# KiCad board FPGA_Board_BA.kicad_pcb (continued)
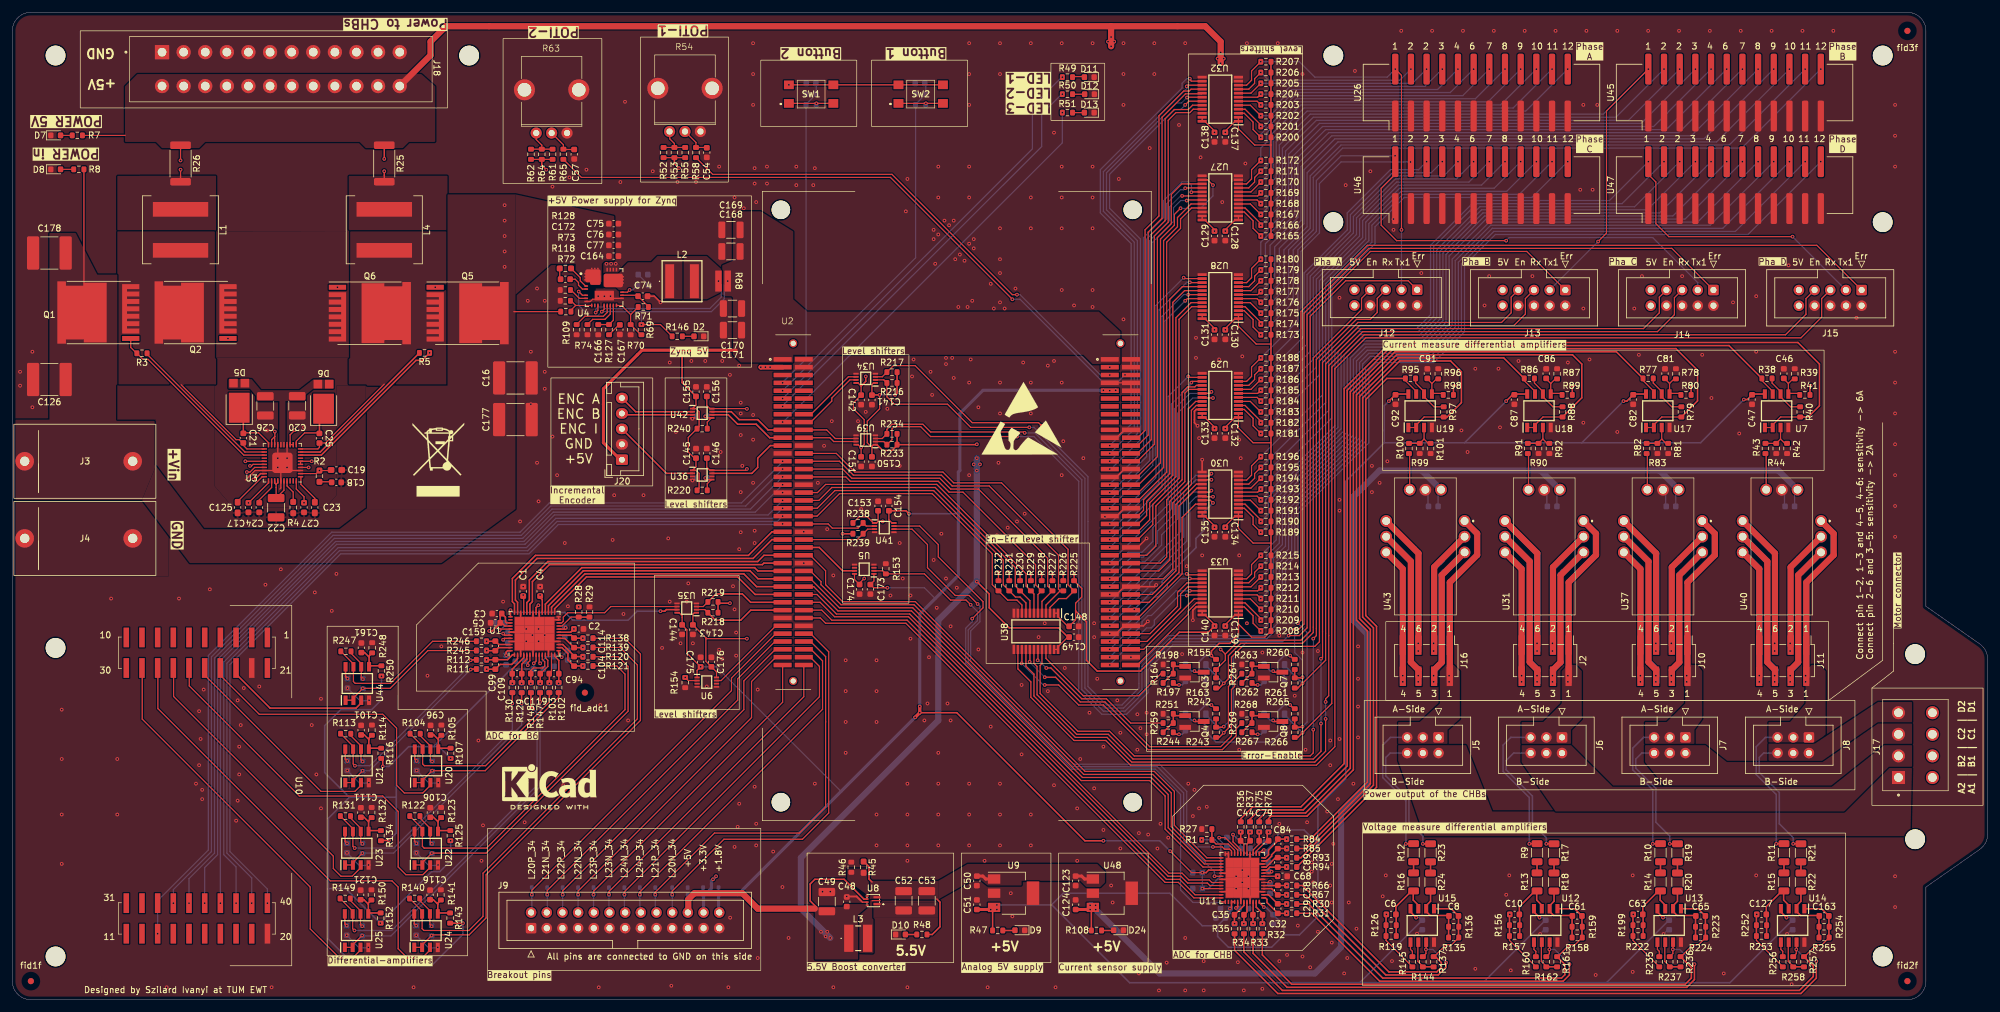
[diagram p0: board, top side]
## Routing (per net, layer and track width the routed paths; a pad name or vN(x,y) marks a point on that pad's centre or on a via; arc(x,y) is an arc through that point) (continued)
(no net):
  vias: v1(200,61)
/ADC for B6/CLK_IN: length 15.3
  Top w0.2: U35.2 112.17,63.21 R218.2
  Top w0.25: R218.2 113.88,61.5 118,61.5 119.63,63.12 U2.a65
/ADC for B6/CLK_OUT: length 14.4
  Top w0.2: U2.a69 123.7,60.59 114.82,51.71 U6.7
/ADC for B6/Diffamp_1/Ain+: length 4.1
  Top w0.25: R245.1 v1(76.85,56.55) C159.1 78.75,57.05 U1.51
/ADC for B6/Diffamp_1/Ain-: length 4.1
  Top w0.25: v1(76.83,58.08) 78.23,58.08 C159.2 78.8,57.55 U1.50
/ADC for B6/Diffamp_2/Ain+: length 4.8
  Top w0.25: R102.1 88.52,51.43 88.52,54.97 87.85,55.65 U1.14
  vias: v1(88.5,51.25)
/ADC for B6/Diffamp_2/Ain-: length 4.7
  Top w0.2: C94.2 87.35,53.2 U1.13
  Top w0.25: R103.1 87,52.8 C94.2
  vias: v1(87,51.25)
/ADC for B6/Diffamp_3/Ain+: length 6.4
  Top w0.25: U1.2 81.85,55.27 80.9,54.33 79.03,54.33 C99.1 v1(76.85,53.55) R111.1
/ADC for B6/Diffamp_3/Ain-: length 4.9
  Top w0.25: U1.1 81.03,55.9 80.23,55.1 C99.2 78.23,55.08 v1(76.83,55.08)
/ADC for B6/Diffamp_4/Ain+: length 4.8
  Top w0.25: U1.17 89.16,57.55 91,55.71 C104.1 92.4,55.6 v1(92.42,55.58)
/ADC for B6/Diffamp_4/Ain-: length 5.8
  Top w0.25: U1.16 89.02,57.05 90,56.08 90,55.05 C104.2 91.02,54.08 v1(92.42,54.08)
/ADC for B6/Diffamp_5/Ain+: length 4.9
  Top w0.25: U1.5 83.35,55.17 82.53,54.35 C109.1 82.53,51.43 R129.1
  vias: v1(82.5,51.25)
/ADC for B6/Diffamp_5/Ain-: length 5.3
  Top w0.25: U1.4 82.85,55.42 80.98,53.55 80.98,52.83 81,52.8 R130.1
  vias: v1(81,51.25)
/ADC for B6/Diffamp_6/Ain+: length 4.1
  Top w0.25: v1(92.42,58.58) 91.02,58.58 C114.1 90.55,59.05 U1.20
/ADC for B6/Diffamp_6/Ain-: length 4.6
  Top w0.25: v1(92.42,57.08) 92.4,57.05 C114.2 89.5,58.55 U1.19
/ADC for B6/Diffamp_7/Ain+: length 5.2
  Top w0.2: U1.11 86.35,55.4 86.75,55 86.75,54 85.58,52.83 C119.1
  Top w0.25: C119.1 85.53,51.43 R147.1
  vias: v1(85.5,51.25)
/ADC for B6/Diffamp_7/Ain-: length 6.5
  Top w0.2: 83.98,52.83 83.98,53.33 84.4,53.75 85.93,53.75 86.25,54.07 86.25,54.75 85.85,55.15 U1.10
  Top w0.25: 83.98,52.83 84,52.8 R148.1
  vias: v1(84,51.25)
/ADC for B6/I_A: length 49.4
  Top w0.2: U23.3 56.44,21.39 55.05,20 53.25,20 52,21.25 52,23.25 26.12,49.13 26.12,53.91
/ADC for B6/I_B: length 74.4
  Top w0.2: U24.3 67.65,8.03 66.38,6.75 64,6.75 62.5,8.25 62.5,18.25 61.5,19.25 51.5,19.25 23.58,47.17 23.58,53.91
/ADC for B6/I_C: length 64.8
  Top w0.2: U25.3 56.4,8.04 55.11,6.75 53,6.75 49.97,9.78 49.94,9.78 48.25,11.47 48.25,18.25 21.04,45.46 21.04,53.91
/ADC for B6/Level Shift for DIO/B1: length 29.4
  Top w0.25: U1.41 v1(80.7,63.12) 80.7,63.12 ; U35.7 105.95,63.21 105.7,62.96 v1(105,62.96)
  Bottom w0.25: v1(105,62.96) 101.21,62.96 99.75,61.5 90.75,61.5 89.5,62.75 81.08,62.75 80.7,63.12 v1(80.7,63.12)
/ADC for B6/Level Shift for DIO/B2: length 20.7
  Top w0.2: U1.24 88.98,61.05 89.25,61.33 89.25,62 89.95,62.7 95.95,62.7 96.96,63.71 U35.6
/ADC for B6/LS CLKOUT/A1: length 32.1
  Top w0.2: v1(109,52.21) 109.5,51.71 110.92,51.71
  Top w0.25: v1(85.22,63.91) 84.85,63.54 U1.33
  In2.Cu w0.2: v1(109,52.21) 101.75,59.46 101.75,59.5 99.5,61.75 87.38,61.75 v1(85.22,63.91)
/ADC for B6/SDO1: length 40.9
  Top w0.25: U1.27 87.85,63.35 93,68.5 117.5,68.5 120.33,65.66 U2.a59
/ADC for B6/SDO2: length 41.4
  Top w0.25: U1.28 87.35,63.6 92.75,69 118.5,69 120.57,66.94 U2.a61
/ADC for B6/SDO3: length 42
  Top w0.25: U1.29 86.85,63.85 92.5,69.5 119.5,69.5 120.8,68.21 U2.a57
/ADC for B6/SDO4: length 42.5
  Top w0.25: U2.a55 120.77,69.47 120.25,70 92.25,70 86.35,64.1 U1.30
/ADC for B6/SDO5: length 47
  Top w0.25: U1.35 83.85,64.1 84.25,64.5 84.25,67.75 87,70.5 121.5,70.5 121.74,70.75 U2.a53
/ADC for B6/SDO6: length 48.2
  Top w0.25: 124.79,72.02 121.77,72.02 120.75,71 86.75,71 83.75,68 83.75,64.75 83.35,64.35 U1.36
/ADC for B6/SDO7: length 51.4
  Top w0.25: U1.39 81.85,64.4 81.5,64.75 81.5,68 85,71.5 120,71.5 123.05,74.56 U2.a47
/ADC for B6/SDO8: length 52.6
  Top w0.25: U2.a43 123.08,75.83 119.25,72 84.75,72 81,68.25 81,64.5 81.35,64.15 U1.40
/ADC for B6/V_A: length 49.5
  Top w0.2: U10.24 33.7,52.55 40,46.25 60,46.25 62.25,44 62.25,34.75 63.5,33.5 66.5,33.5 67.73,34.73 U20.3
/ADC for B6/V_B: length 35.1
  Top w0.2: U21.3 56.48,34.74 55.49,33.75 50,33.75 31.16,52.59 U10.25
/ADC for B6/V_C: length 60.9
  Top w0.2: 28.66,53.91 28.66,50.84 46.5,33 60,33 62.5,30.5 62.5,21.5 63.75,20.25 66.5,20.25 67.69,21.44 U22.3
/ADC for B6/V_DC: length 24.3
  Top w0.25: U10.23 36.24,52.76 41.75,47.25 55.68,47.25 56.52,48.09 U44.3
/ADC for B6/~{CNV}: length 15.4
  Top w0.2: R219.2 111.92,63.71 U35.3
  Top w0.25: R219.2 113.97,65.75 118.25,65.75 119.61,64.4 U2.a63
/ADC for Machine/CLK_IN_1: length 12.3
  Top w0.2: U2.a46 132.16,77.09 132.84,76.41 136.98,76.41 137.05,76.48 137.05,76.48 R238.2 138.32,76.75 U41.2
/ADC for Machine/CLK_OUT_1: length 9.8
  Top w0.25: 136.43,69.5 134.5,69.5 130.71,73.28 U2.a50
/ADC for Machine/Diffamp5/Ain+: length 3.8
  Top w0.2: C44.1 199.51,25.22 U11.20
  Top w0.25: R36.1 199,25.78 C44.1
  vias: v1(198.98,27.18)
/ADC for Machine/Diffamp5/Ain-: length 4
  Top w0.2: U11.19 200.01,25.23 200.52,25.75
  Top w0.25: 200.52,25.75 200.3,25.97 200.3,27.15 200.32,27.18 R37.1
  vias: v1(200.5,27.15)
/ADC for Machine/Diffamp6/Ain+: length 3.9
  Top w0.2: C79.1 201.98,25.22 201.01,24.26 U11.17
  Top w0.25: R75.1 202,25.78 C79.1
  vias: v1(201.98,27.18)
/ADC for Machine/Diffamp6/Ain-: length 4.8
  Top w0.2: 203.52,25.75 203.2,25.75 201.51,24.06 U11.16
  Top w0.25: 203.52,25.75 203.3,25.97 203.3,27.15 203.32,27.18 R76.1
  vias: v1(203.5,27.15)
/ADC for Machine/Diffamp7/Ain+: length 5.6
  Top w0.25: U11.14 202.99,22.99 203.5,23.5 203.5,24.25 205,25.75 C84.1 206.4,26.03 v1(206.43,26)
/ADC for Machine/Diffamp7/Ain-: length 4.8
  Top w0.25: U11.13 203.24,22.49 204,23.25 204,23.47 C84.2 205.02,24.5 v1(206.48,24.5)
/ADC for Machine/Diffamp8/Ain+: length 4.4
  Top w0.25: v1(206.43,23) 205.02,23 C89.1 204.65,23.03 203.12,21.49 U11.11
/ADC for Machine/Diffamp8/Ain-: length 4
  Top w0.25: U11.10 203.26,20.99 203.74,21.47 C89.2 206.4,21.47 v1(206.43,21.5)
/ADC for Machine/Iin_a: length 5.9
  Top w0.2: R100.1 226.37,88.38 U43.7
/ADC for Machine/Iin_b: length 5.9
  Top w0.2: R91.1 245.62,88.38 U31.7
/ADC for Machine/Iin_c: length 5.9
  Top w0.2: R82.1 264.87,88.38 U37.7
/ADC for Machine/Iin_d: length 5.9
  Top w0.2: R43.1 284.12,88.38 U40.7
/ADC for Machine/Level Shift for DIO/B1: length 99
  Top w0.2: v1(155.5,61.75) 157.25,63.5 157.25,64.5 150,71.75 150,73.75 147,76.75 U41.7 ; v1(195.75,15.75) 195.84,15.84 U11.41
  Bottom w0.2: v1(155.5,61.75) 155.5,61.25 154.45,60.2 154.45,54.55 171.65,37.35 185.15,37.35 189.25,33.25 189.25,17.75 191.25,15.75 v1(195.75,15.75)
/ADC for Machine/Level Shift for DIO/B2: length 90.6
  Top w0.2: U11.24 197.51,24.08 197.19,24.4 196.35,24.4 196,24.75 v1(194.5,24.75) ; v1(156.38,64.12) 155,65.5 152.75,65.5 148.25,70 148.25,73.75 145.75,76.25 U41.6
  Bottom w0.2: v1(194.5,24.75) 191.75,24.75 190.25,26.25 190.25,33.75 185.85,38.15 171.98,38.15 155.25,54.88 155.25,59.75 156.75,61.25 156.75,63.75 v1(156.38,64.12)
/ADC for Machine/LS CLKOUT/A1: length 88.7
  Top w0.2: U5.2 141,69.5 R153.1 147.75,69 152,64.75 154.5,64.75 v1(155.25,64) ; v1(194.75,20) 194.76,19.99 U11.33
  Bottom w0.2: v1(155.25,64) 156.35,62.9 156.35,61.42 154.85,59.92 154.85,54.72 171.82,37.75 185.5,37.75 189.75,33.5 189.75,25.75 194.75,20.75 v1(194.75,20)
/ADC for Machine/PHA_V+: length 3.8
  Top w0.25: 206.43,18.5 205.02,18.5 C38.1 204.97,18.49 U11.5
  vias: v1(206.48,18.5)
/ADC for Machine/PHA_V-: length 4.2
  Top w0.25: 206.43,17 v1(206.4,16.97) C38.2 205,17 204.01,17.99 U11.4
/ADC for Machine/PHB_V+: length 4.4
  Top w0.25: v1(206.43,15.5) 205.02,15.5 C29.1 204.98,15.53 203.51,16.99 U11.2
/ADC for Machine/PHB_V-: length 5.1
  Top w0.25: v1(206.43,14) 206.4,13.97 C29.2 205,14 203.25,15.75 203.25,16.25 203.01,16.49 U11.1
/ADC for Machine/PHC_V+: length 4
  Top w0.25: v1(202.5,12.33) 202.52,12.35 202.52,13.97 201.51,14.99 U11.51
/ADC for Machine/PHC_V-: length 3.5
  Top w0.25: v1(201,12.33) 200.98,12.35 C32.2 201.01,13.78 U11.50
/ADC for Machine/PHD_V+: length 3.7
  Top w0.25: U11.48 200.01,14.23 199.52,13.75 199.52,12.35 v1(199.5,12.33)
/ADC for Machine/PHD_V-: length 4.2
  Top w0.25: v1(198,12.33) 197.98,12.35 C35.2 198,13.75 199.51,15.26 U11.47
/ADC for Machine/SDO1_1: length 92.5
  Top w0.2: U11.27 193.51,22.99 188.25,28.25 188.25,33.75 185,37 173.78,37 146.28,64.5 134.5,64.5 131.75,67.25 131.75,69.5 129.24,72.02 128.21,72.02
/ADC for Machine/SDO2_1: length 90.6
  Top w0.2: U2.a56 129.27,69.47 131,67.75 131,67.25 134.25,64 146.07,64 173.57,36.5 184.75,36.5 187.75,33.5 187.75,28.04 193.3,22.49 U11.28
/ADC for Machine/SDO3_1: length 89.9
  Top w0.2: U2.a58 129.3,68.21 133.99,63.51 145.87,63.51 173.37,36.01 184.49,36.01 187.25,33.25 187.25,27.84 193.1,21.99 U11.29
/ADC for Machine/SDO4_1: length 89.6
  Top w0.2: U2.a60 129.81,66.94 133.75,63 145.66,63 173.16,35.5 184.25,35.5 186.75,33 186.75,27.63 192.88,21.49 U11.30
/ADC for Machine/SDO5_1: length 87
  Top w0.2: U11.35 194.31,18.99 193.9,19.4 190.6,19.4 189.5,20.5 187.37,20.5 145.37,62.5 133.5,62.5 130.33,65.66 U2.a62
/ADC for Machine/SDO6_1: length 86.7
  Top w0.2: U11.36 194.01,18.49 193.6,18.9 190.4,18.9 189.3,20 187.23,20 145.18,62.05 133.2,62.05 130.86,64.4 U2.a64
/ADC for Machine/SDO7_1: length 86.7
  Top w0.2: U11.39 191.61,16.99 189.1,19.5 186.96,19.5 144.96,61.5 132.75,61.5 131.12,63.12 U2.a66
/ADC for Machine/SDO8_1: length 86.4
  Top w0.2: U11.40 191.41,16.49 188.9,19 186.75,19 144.75,61 131.75,61 130.9,61.86 128.21,61.86
/ADC for Machine/~{CNV}_1: length 12.2
  Top w0.2: U2.a48 136.88,74.56 R239.2 138.57,76.25 U41.3
/CHB Communication/En-Err-circuit-1/En_in: length 24.4
  Top w0.2: 186.43,52.83 186.07,52.83 182.5,49.25 173.5,49.25 167.45,55.3 U38.21
/CHB Communication/En-Err-circuit-1/En_out: length 85.3
  Top w0.2: J12.7 218.57,113.65 218.57,111.82 210.75,104 210.75,59.5 209,57.75 199,57.75 197,55.75 197,52 v1(196.25,51.25)
  Top w0.25: v1(196.25,51.25) 195.5,50.5 R163.2
  Bottom w0.25: v1(196.25,51.25) 193.35,54.15 D26.2
/CHB Communication/En-Err-circuit-1/Err: length 196.9
  Top w0.2: U39.2 141.18,90.44 R233.2 141.69,89.94 142.5,90.75 142.5,92.5 142.85,92.85 147.15,92.85 148.75,91.25 v1(162.75,91.25) ; 196.5,56 v1(195.75,56.75) ; 196.5,56 198.75,58.25 208.75,58.25 210.25,59.75 210.25,110.75 216,116.5 226.12,116.5 J12.1 ; 196.5,56 196.5,55 R155.2
  Top w0.25: R163.1 R155.2
  Bottom w0.2: v1(162.75,91.25) 165.5,91.25 172.75,84 172.75,50 176.5,46.25 180.5,46.25 184,49.75 184,53.5 188,57.5 195,57.5 v1(195.75,56.75)
/CHB Communication/En-Err-circuit-2/En_in: length 26.3
  Top w0.2: v1(167.5,53.75) 168.25,53.75 173.25,48.75 177.25,48.75 181.18,44.83 186.43,44.83 ; U38.19 166.15,55.05 v1(166.1,55)
  Bottom w0.2: v1(167.5,53.75) 166.25,55 v1(166.1,55)
/CHB Communication/En-Err-circuit-2/En_out: length 117.8
  Top w0.2: J13.7 242.81,113.85 242.81,111.31 241.25,109.75 218,109.75 211.75,103.5 211.75,58 211,57.25 199.25,57.25 197.5,55.5 197.5,51.25 197,50.75 197,44 v1(196.25,43.25)
  Top w0.25: R243.2 195.5,42.5 v1(196.25,43.25)
  Bottom w0.25: v1(196.25,43.25) 193.35,46.15 D27.2
/CHB Communication/En-Err-circuit-2/Err: length 235.6
  Top w0.2: v1(164,91.85) 163.85,92 148.75,92 147.5,93.25 142.5,93.25 141.68,92.43 R234.2 140.93,90.94 U39.3 ; J13.1 245.33,121.25 220,121.25 209.75,111 209.75,60.25 208.5,59 v1(206.75,59)
  Top w0.25: R242.2 R243.1 196.15,44.15 v1(196.25,44.25)
  Bottom w0.2: 200,58 205.75,58 v1(206.75,59) ; 200,58 187.75,58 183.5,53.75 183.5,50 180.25,46.75 176.75,46.75 173.25,50.25 173.25,84.25 165.65,91.85 v1(164,91.85) ; 200,58 197.75,55.75 197.75,45.75 v1(196.25,44.25)
/CHB Communication/En-Err-circuit-3/En_in: length 51.9
  Top w0.2: v1(167.25,52.25) 169,52.25 173,48.25 177,48.25 184.25,41 195.75,41 197.5,42.75 197.5,50.25 198,50.75 198,51.65 R264.2 ; U38.17 164.85,54.8 v1(164.8,54.75)
  Bottom w0.2: v1(164.8,54.75) 164.8,54.7 v1(167.25,52.25)
/CHB Communication/En-Err-circuit-3/En_out: length 120.8
  Top w0.2: J14.7 266.81,113.85 266.81,111.31 264.25,108.75 218.5,108.75 212.75,103 212.75,55 v1(209,51.25)
  Top w0.25: R261.2 208.25,50.5 v1(209,51.25)
  Bottom w0.25: v1(209,51.25) 206.1,54.15 D29.2
/CHB Communication/En-Err-circuit-3/Err: length 255.3
  Top w0.2: U34.2 141.18,100.44 R216.2 141.68,97.7 142.88,96.5 151.5,96.5 155.25,92.75 v1(164.75,92.75) ; v1(207.75,60) 208.38,60 209.25,60.88 209.25,111.25 219.75,121.75 268.83,121.75 J14.1
  Top w0.25: v1(209,52.25) 208.9,52.15 R261.1 R260.2
  Bottom w0.2: v1(164.75,92.75) 165.5,92.75 173.75,84.5 173.75,50.5 177,47.25 180,47.25 183,50.25 183,54 187.5,58.5 203.25,58.5 204.75,60 v1(207.75,60) 207.75,56.25 209,55 v1(209,52.25)
/CHB Communication/En-Err-circuit-4/En_in: length 46.2
  Top w0.2: R269.2 198.25,43.9 198.25,42.75 196,40.5 184,40.5 176.75,47.75 172.75,47.75 169.5,51 v1(167.25,51) ; v1(163.5,54.5) 163.55,54.55 U38.15
  Bottom w0.2: v1(163.5,54.5) 167,51 v1(167.25,51)
/CHB Communication/En-Err-circuit-4/En_out: length 151.9
  Top w0.2: J15.7 290.57,113.61 290.57,111.07 287.25,107.75 219,107.75 213.75,102.5 213.75,48 v1(209,43.25)
  Top w0.25: R266.2 208.25,42.5 v1(209,43.25)
  Bottom w0.25: v1(209,43.25) 206.1,46.15 D31.2
/CHB Communication/En-Err-circuit-4/Err: length 289.3
  Top w0.2: v1(166.75,93) 166.25,93.5 155.5,93.5 146.25,102.75 142.73,102.75 R217.2 140.93,100.94 U34.3 ; v1(208.25,61) 208.75,61.5 208.75,111.5 219.5,122.25 292.33,122.25 J15.1
  Top w0.25: R265.2 R266.1 208.9,44.15 v1(209,44.25)
  Bottom w0.2: v1(166.75,93) 166.75,92.25 174.25,84.75 174.25,50.75 177.25,47.75 179.75,47.75 182.5,50.5 182.5,54.25 187.25,59 203,59 205,61 v1(208.25,61) 209.75,59.5 209.75,45 v1(209,44.25)
/CHB Communication/En_Ph1: length 62.3
  Top w0.2: U38.3 168.1,63.56 169.54,65 170.75,65 R225.2 171.03,67.22 171.03,72.97 160.25,83.75 152.5,83.75 150.75,85.5 136.5,85.5 133.48,88.53 U2.a26
/CHB Communication/En_Ph2: length 55.4
  Top w0.2: U2.a30 134.51,85.99 136,84.5 150.25,84.5 152,82.75 156.5,82.75 167.72,71.53 167.72,67.03 R227.2 166.8,64.55 U38.5
/CHB Communication/En_Ph3: length 49.5
  Top w0.2: U2.a36 130.43,82.18 131.75,83.5 149.75,83.5 164.22,69.03 164.22,67.03 R229.2 165.5,65.75 U38.7
/CHB Communication/En_Ph4: length 48.7
  Top w0.2: U38.9 164.2,64.3 163.25,65.25 162.5,65.25 R231.2 160.53,67.22 160.53,71.22 149.25,82.5 133.25,82.5 130.38,79.64 128.21,79.64
/CHB Communication/Err_Ph1: length 8.7
  Top w0.2: U39.7 133.06,90.44 132.44,91.07 U2.a22
/CHB Communication/Err_Ph2: length 9
  Top w0.2: U39.6 133.31,90.94 131.92,92.34 U2.a20
/CHB Communication/Err_Ph3: length 11.6
  Top w0.2: U34.7 135.69,100.44 132.75,97.5 132.75,97 129.36,93.61 U2.a18
/CHB Communication/Err_Ph4: length 11
  Top w0.2: U34.6 135.44,100.94 129.38,94.88 U2.a16
/CHB Communication/Level_Shifter_8bit_1/A1: length 50.4
  Top w0.2: U32.3 199.56,143.65 201,142.21 201,141 v1(202.25,139.75)
  Bottom w0.2: v1(202.25,139.75) 202.25,140.25 208,146 237.01,146 v1(241.81,150.8)
/CHB Communication/Level_Shifter_8bit_1/A2: length 45.8
  Top w0.2: U32.4 199.7,144.3 202.25,141.75 v1(202.25,141.5)
  Bottom w0.2: v1(239.27,150.8) 234.97,146.5 207.75,146.5 202.75,141.5 v1(202.25,141.5)
/CHB Communication/Level_Shifter_8bit_1/A3: length 41.9
  Top w0.2: v1(202.25,143.25) 200.55,144.95 U32.5
  Bottom w0.2: v1(236.73,150.8) 232.93,147 207.5,147 203.75,143.25 v1(202.25,143.25)
/CHB Communication/Level_Shifter_8bit_1/A4: length 38.2
  Top w0.2: v1(202.25,145) 201.65,145.6 U32.6
  Bottom w0.2: v1(202.25,145) 204.75,145 207.25,147.5 230.89,147.5 v1(234.19,150.8)
/CHB Communication/Level_Shifter_8bit_1/A5: length 34.9
  Top w0.2: U32.7 201.75,146.25 v1(202.25,146.75)
  Bottom w0.2: v1(231.65,150.8) 228.85,148 207,148 205.75,146.75 v1(202.25,146.75)
/CHB Communication/Level_Shifter_8bit_1/A6: length 32.1
  Top w0.2: v1(202.25,148.5) 200.65,146.9 U32.8
  Bottom w0.2: v1(202.25,148.5) 226.81,148.5 v1(229.11,150.8)
/CHB Communication/Level_Shifter_8bit_1/A7: length 30.8
  Top w0.2: v1(202.25,150.25) 201.25,149.25 201.25,148.5 200.3,147.55 U32.9
  Bottom w0.2: v1(202.25,150.25) 203.5,149 224.77,149 v1(226.57,150.8)
/CHB Communication/Level_Shifter_8bit_2/A1: length 92.7
  Top w0.2: v1(202.25,123.75) 201,125 201,126.21 199.56,127.65 U27.3
  Bottom w0.2: v1(202.25,123.75) 206.75,128.25 206.75,137 211.75,142 263.85,142 v1(272.65,150.8)
/CHB Communication/Level_Shifter_8bit_2/A2: length 88
  Top w0.2: U27.4 199.7,128.3 202.25,125.75 v1(202.25,125.5)
  Bottom w0.2: v1(270.11,150.8) 261.81,142.5 211.25,142.5 206.25,137.5 206.25,129.5 v1(202.25,125.5)
/CHB Communication/Level_Shifter_8bit_2/A3: length 83.6
  Top w0.2: U27.5 200.55,128.95 v1(202.25,127.25)
  Bottom w0.2: v1(267.57,150.8) 259.77,143 210.75,143 205.75,138 205.75,130.75 v1(202.25,127.25)
/CHB Communication/Level_Shifter_8bit_2/A5: length 65.2
  Top w0.2: v1(202.25,130.75) 201.75,130.25 U27.7
  Bottom w0.2: v1(251.97,150.8) 245.17,144 209.75,144 204.75,139 204.75,133.25 v1(202.25,130.75)
/CHB Communication/Level_Shifter_8bit_2/A6: length 62
  Top w0.2: v1(202.25,132.5) 200.65,130.9 U27.8
  Bottom w0.2: v1(202.25,132.5) 204.25,134.5 204.25,139.5 209.25,144.5 243.13,144.5 v1(249.43,150.8)
/CHB Communication/Level_Shifter_8bit_2/A7: length 59.2
  Top w0.2: v1(202.25,134.25) 201.25,133.25 201.25,132.5 200.3,131.55 U27.9
  Bottom w0.2: v1(202.25,134.25) 203.75,135.75 203.75,140 208.75,145 241.09,145 v1(246.89,150.8)
/CHB Communication/Level_Shifter_8bit_2/A8: length 56.4
  Top w0.2: U27.10 199.95,132.2 200.75,133 200.75,134.5 v1(202.25,136)
  Bottom w0.2: v1(244.35,150.8) 239.05,145.5 208.25,145.5 203.25,140.5 203.25,139 202.25,138 v1(202.25,136)
/CHB Communication/Level_Shifter_8bit_3/A1: length 124.5
  Top w0.2: v1(202.25,107.75) 201,109 201,110.21 199.56,111.65 U28.3
  Bottom w0.2: v1(292.97,150.8) 280.17,138 215.5,138 210.75,133.25 210.75,124.75 207.5,121.5 207.5,113 v1(202.25,107.75)
/CHB Communication/Level_Shifter_8bit_3/A2: length 119.6
  Top w0.2: U28.4 199.7,112.3 202.25,109.75 v1(202.25,109.5)
  Bottom w0.2: v1(290.43,150.8) 278.13,138.5 215.25,138.5 210.25,133.5 210.25,125 206.75,121.5 206.75,114 v1(202.25,109.5)
/CHB Communication/Level_Shifter_8bit_3/A3: length 115.3
  Top w0.2: v1(202.25,111.25) 200.55,112.95 U28.5
  Bottom w0.2: v1(202.25,111.25) 206,115 206,121.5 209.75,125.25 209.75,134 214.75,139 276.09,139 v1(287.89,150.8)
/CHB Communication/Level_Shifter_8bit_3/A4: length 111.1
  Top w0.2: v1(202.25,113) 201.65,113.6 U28.6
  Bottom w0.2: v1(285.35,150.8) 274.05,139.5 214.25,139.5 209.25,134.5 209.25,125.75 205.25,121.75 205.25,116 v1(202.25,113)
/CHB Communication/Level_Shifter_8bit_3/A5: length 107.4
  Top w0.2: v1(202.25,114.75) 201.75,114.25 U28.7
  Bottom w0.2: v1(282.81,150.8) 272.01,140 213.75,140 208.75,135 208.75,126.25 204.5,122 204.5,117 v1(202.25,114.75)
/CHB Communication/Level_Shifter_8bit_3/A6: length 104.1
  Top w0.2: U28.8 200.65,114.9 v1(202.25,116.5)
  Bottom w0.2: v1(202.25,116.5) 203.75,118 203.75,122.25 208.25,126.75 208.25,135.5 213.25,140.5 269.97,140.5 v1(280.27,150.8)
/CHB Communication/Level_Shifter_8bit_3/A7: length 101.3
  Top w0.2: v1(202.25,118.25) 201.25,117.25 201.25,116.5 200.3,115.55 U28.9
  Bottom w0.2: v1(277.73,150.8) 267.93,141 212.75,141 207.75,136 207.75,127.25 203,122.5 203,119 v1(202.25,118.25)
/CHB Communication/Level_Shifter_8bit_3/A8: length 98.5
  Top w0.2: U28.10 199.95,116.2 200.75,117 200.75,118.5 v1(202.25,120)
  Bottom w0.2: v1(202.25,120) 202.25,122.75 207.25,127.75 207.25,136.5 212.25,141.5 265.89,141.5 v1(275.19,150.8)
/CHB Communication/Level_Shifter_8bit_4/A1: length 74.3
  Top w0.2: U29.3 199.56,95.65 201,94.21 201,93 v1(202.25,91.75)
  Bottom w0.2: v1(202.25,91.75) 211.75,101.25 211.75,116.5 218.75,123.5 218.75,126.25 224.5,132 238.01,132 v1(241.81,135.8)
/CHB Communication/Level_Shifter_8bit_4/A2: length 69.4
  Top w0.2: U29.4 199.7,96.3 202.25,93.75 v1(202.25,93.5)
  Bottom w0.2: v1(239.27,135.8) 235.97,132.5 224.25,132.5 218.25,126.5 218.25,123.75 211.25,116.75 211.25,102.5 v1(202.25,93.5)
/CHB Communication/Level_Shifter_8bit_4/A3: length 64.9
  Top w0.2: U29.5 200.55,96.95 v1(202.25,95.25)
  Bottom w0.2: v1(202.25,95.25) 210.75,103.75 210.75,117 217.75,124 217.75,126.69 224.06,133 233.93,133 v1(236.73,135.8)
/CHB Communication/Level_Shifter_8bit_4/A4: length 60.6
  Top w0.2: v1(202.25,97) 201.65,97.6 U29.6
  Bottom w0.2: v1(202.25,97) 210.25,105 210.25,117.25 217.25,124.25 217.25,126.91 223.84,133.5 231.89,133.5 v1(234.19,135.8)
/CHB Communication/Level_Shifter_8bit_4/A5: length 56.7
  Top w0.2: v1(202.25,98.75) 201.75,98.25 U29.7
  Bottom w0.2: v1(231.65,135.8) 229.85,134 223.56,134 216.75,127.19 216.75,124.5 209.75,117.5 209.75,106.25 v1(202.25,98.75)
/CHB Communication/Level_Shifter_8bit_4/A6: length 53.4
  Top w0.2: v1(202.25,100.5) 200.65,98.9 U29.8
  Bottom w0.2: v1(229.11,135.8) 227.81,134.5 223.25,134.5 216.25,127.5 216.25,124.75 209.25,117.75 209.25,107.5 v1(202.25,100.5)
/CHB Communication/Level_Shifter_8bit_4/A7: length 55.3
  Top w0.2: v1(202.25,102.25) 201.25,101.25 201.25,100.5 200.3,99.55 U29.9
  Bottom w0.2: v1(202.25,102.25) 208.75,108.75 208.75,121.25 211.75,124.25 211.75,132.25 215.25,135.75 v1(226.5,135.75)
/CHB Communication/Level_Shifter_8bit_5/A1: length 116.6
  Top w0.2: U30.3 199.56,79.65 201,78.21 201,77 v1(202.25,75.75)
  Bottom w0.2: v1(272.65,135.8) 264.85,128 238,128 231.25,121.25 231.25,110.25 228.25,107.25 218.5,107.25 215.75,104.5 215.75,92.25 204,80.5 204,77.5 v1(202.25,75.75)
/CHB Communication/Level_Shifter_8bit_5/A2: length 111.7
  Top w0.2: v1(202.25,77.5) 202.25,77.75 199.7,80.3 U30.4
  Bottom w0.2: v1(202.25,77.5) 203.5,78.75 203.5,80.75 215.25,92.5 215.25,104.75 218.25,107.75 228,107.75 230.75,110.5 230.75,121.5 237.75,128.5 262.81,128.5 v1(270.11,135.8)
/CHB Communication/Level_Shifter_8bit_5/A3: length 107.4
  Top w0.2: U30.5 200.55,80.95 v1(202.25,79.25)
  Bottom w0.2: v1(202.25,79.25) 203,80 203,81 214.75,92.75 214.75,105 218,108.25 227.75,108.25 230.25,110.75 230.25,122 237.25,129 260.77,129 v1(267.57,135.8)
/CHB Communication/Level_Shifter_8bit_5/A5: length 89.6
  Top w0.2: v1(202.25,82.75) 201.75,82.25 U30.7
  Bottom w0.2: v1(251.97,135.8) 246.17,130 225.5,130 220.75,125.25 220.75,122.5 213.75,115.5 213.75,94.25 v1(202.25,82.75)
/CHB Communication/Level_Shifter_8bit_5/A6: length 86.2
  Top w0.2: v1(202.25,84.5) 200.65,82.9 U30.8
  Bottom w0.2: v1(202.25,84.5) 213.25,95.5 213.25,115.75 220.25,122.75 220.25,125.5 225.25,130.5 244.13,130.5 v1(249.43,135.8)
/CHB Communication/Level_Shifter_8bit_5/A7: length 83.2
  Top w0.2: U30.9 200.3,83.55 201.25,84.5 201.25,85.25 v1(202.25,86.25)
  Bottom w0.2: v1(246.89,135.8) 242.09,131 225,131 219.75,125.75 219.75,123 212.75,116 212.75,96.75 v1(202.25,86.25)
/CHB Communication/Level_Shifter_8bit_5/A8: length 80.3
  Top w0.2: U30.10 199.95,84.2 200.75,85 200.75,86.5 v1(202.25,88)
  Bottom w0.2: v1(202.25,88) 212.25,98 212.25,116.25 219.25,123.25 219.25,126 224.75,131.5 240.05,131.5 v1(244.35,135.8)
/CHB Communication/Level_Shifter_8bit_6/A1: length 149
  Top w0.2: U33.3 199.56,63.65 201,62.21 201,61 v1(202.25,59.75)
  Bottom w0.2: v1(202.25,59.75) 206.25,63.75 206.25,70.25 208.25,72.25 208.25,78.75 219.75,90.25 219.75,102 221,103.25 230.25,103.25 235.25,108.25 235.25,119 240.25,124 281.17,124 v1(292.97,135.8)
/CHB Communication/Level_Shifter_8bit_6/A2: length 144.2
  Top w0.2: v1(202.25,61.5) 202.25,61.75 199.7,64.3 U33.4
  Bottom w0.2: v1(290.43,135.8) 279.13,124.5 240,124.5 234.75,119.25 234.75,108.5 230,103.75 220.5,103.75 219.25,102.5 219.25,90.5 207.75,79 207.75,72.5 205.75,70.5 205.75,65 v1(202.25,61.5)
/CHB Communication/Level_Shifter_8bit_6/A3: length 139.9
  Top w0.2: U33.5 200.55,64.95 v1(202.25,63.25)
  Bottom w0.2: v1(287.89,135.8) 277.09,125 239.75,125 234.25,119.5 234.25,108.75 229.75,104.25 220,104.25 218.75,103 218.75,90.75 207.25,79.25 207.25,72.75 205.25,70.75 205.25,66.25 v1(202.25,63.25)
/CHB Communication/Level_Shifter_8bit_6/A4: length 135.6
  Top w0.2: v1(202.25,65) 201.65,65.6 U33.6
  Bottom w0.2: v1(285.35,135.8) 275.05,125.5 239.5,125.5 233.75,119.75 233.75,109 229.5,104.75 219.75,104.75 218.25,103.25 218.25,91 206.75,79.5 206.75,73 204.75,71 204.75,67.5 v1(202.25,65)
/CHB Communication/Level_Shifter_8bit_6/A5: length 131.7
  Top w0.2: U33.7 201.75,66.25 v1(202.25,66.75)
  Bottom w0.2: v1(202.25,66.75) 204.25,68.75 204.25,71.5 206.25,73.5 206.25,79.75 217.75,91.25 217.75,103.5 219.5,105.25 229.25,105.25 233.25,109.25 233.25,120 239.25,126 273.01,126 v1(282.81,135.8)
/CHB Communication/Level_Shifter_8bit_6/A6: length 128.5
  Top w0.2: v1(202.25,68.5) 200.65,66.9 U33.8
  Bottom w0.2: v1(280.27,135.8) 270.97,126.5 238.75,126.5 232.75,120.5 232.75,109.5 229,105.75 219.25,105.75 217.25,103.75 217.25,91.5 205.75,80 205.75,73.75 203.75,71.75 203.75,70 v1(202.25,68.5)
/CHB Communication/Level_Shifter_8bit_6/A7: length 125.6
  Top w0.2: U33.9 200.3,67.55 201.25,68.5 201.25,69.25 v1(202.25,70.25)
  Bottom w0.2: v1(202.25,70.25) 203.25,71.25 203.25,72 205.25,74 205.25,80.25 216.75,91.75 216.75,104 219,106.25 228.75,106.25 232.25,109.75 232.25,120.75 238.5,127 269,127 277.73,135.73 v1(277.73,135.8)